# KiCad board aquarius-plus.kicad_pcb (continued)
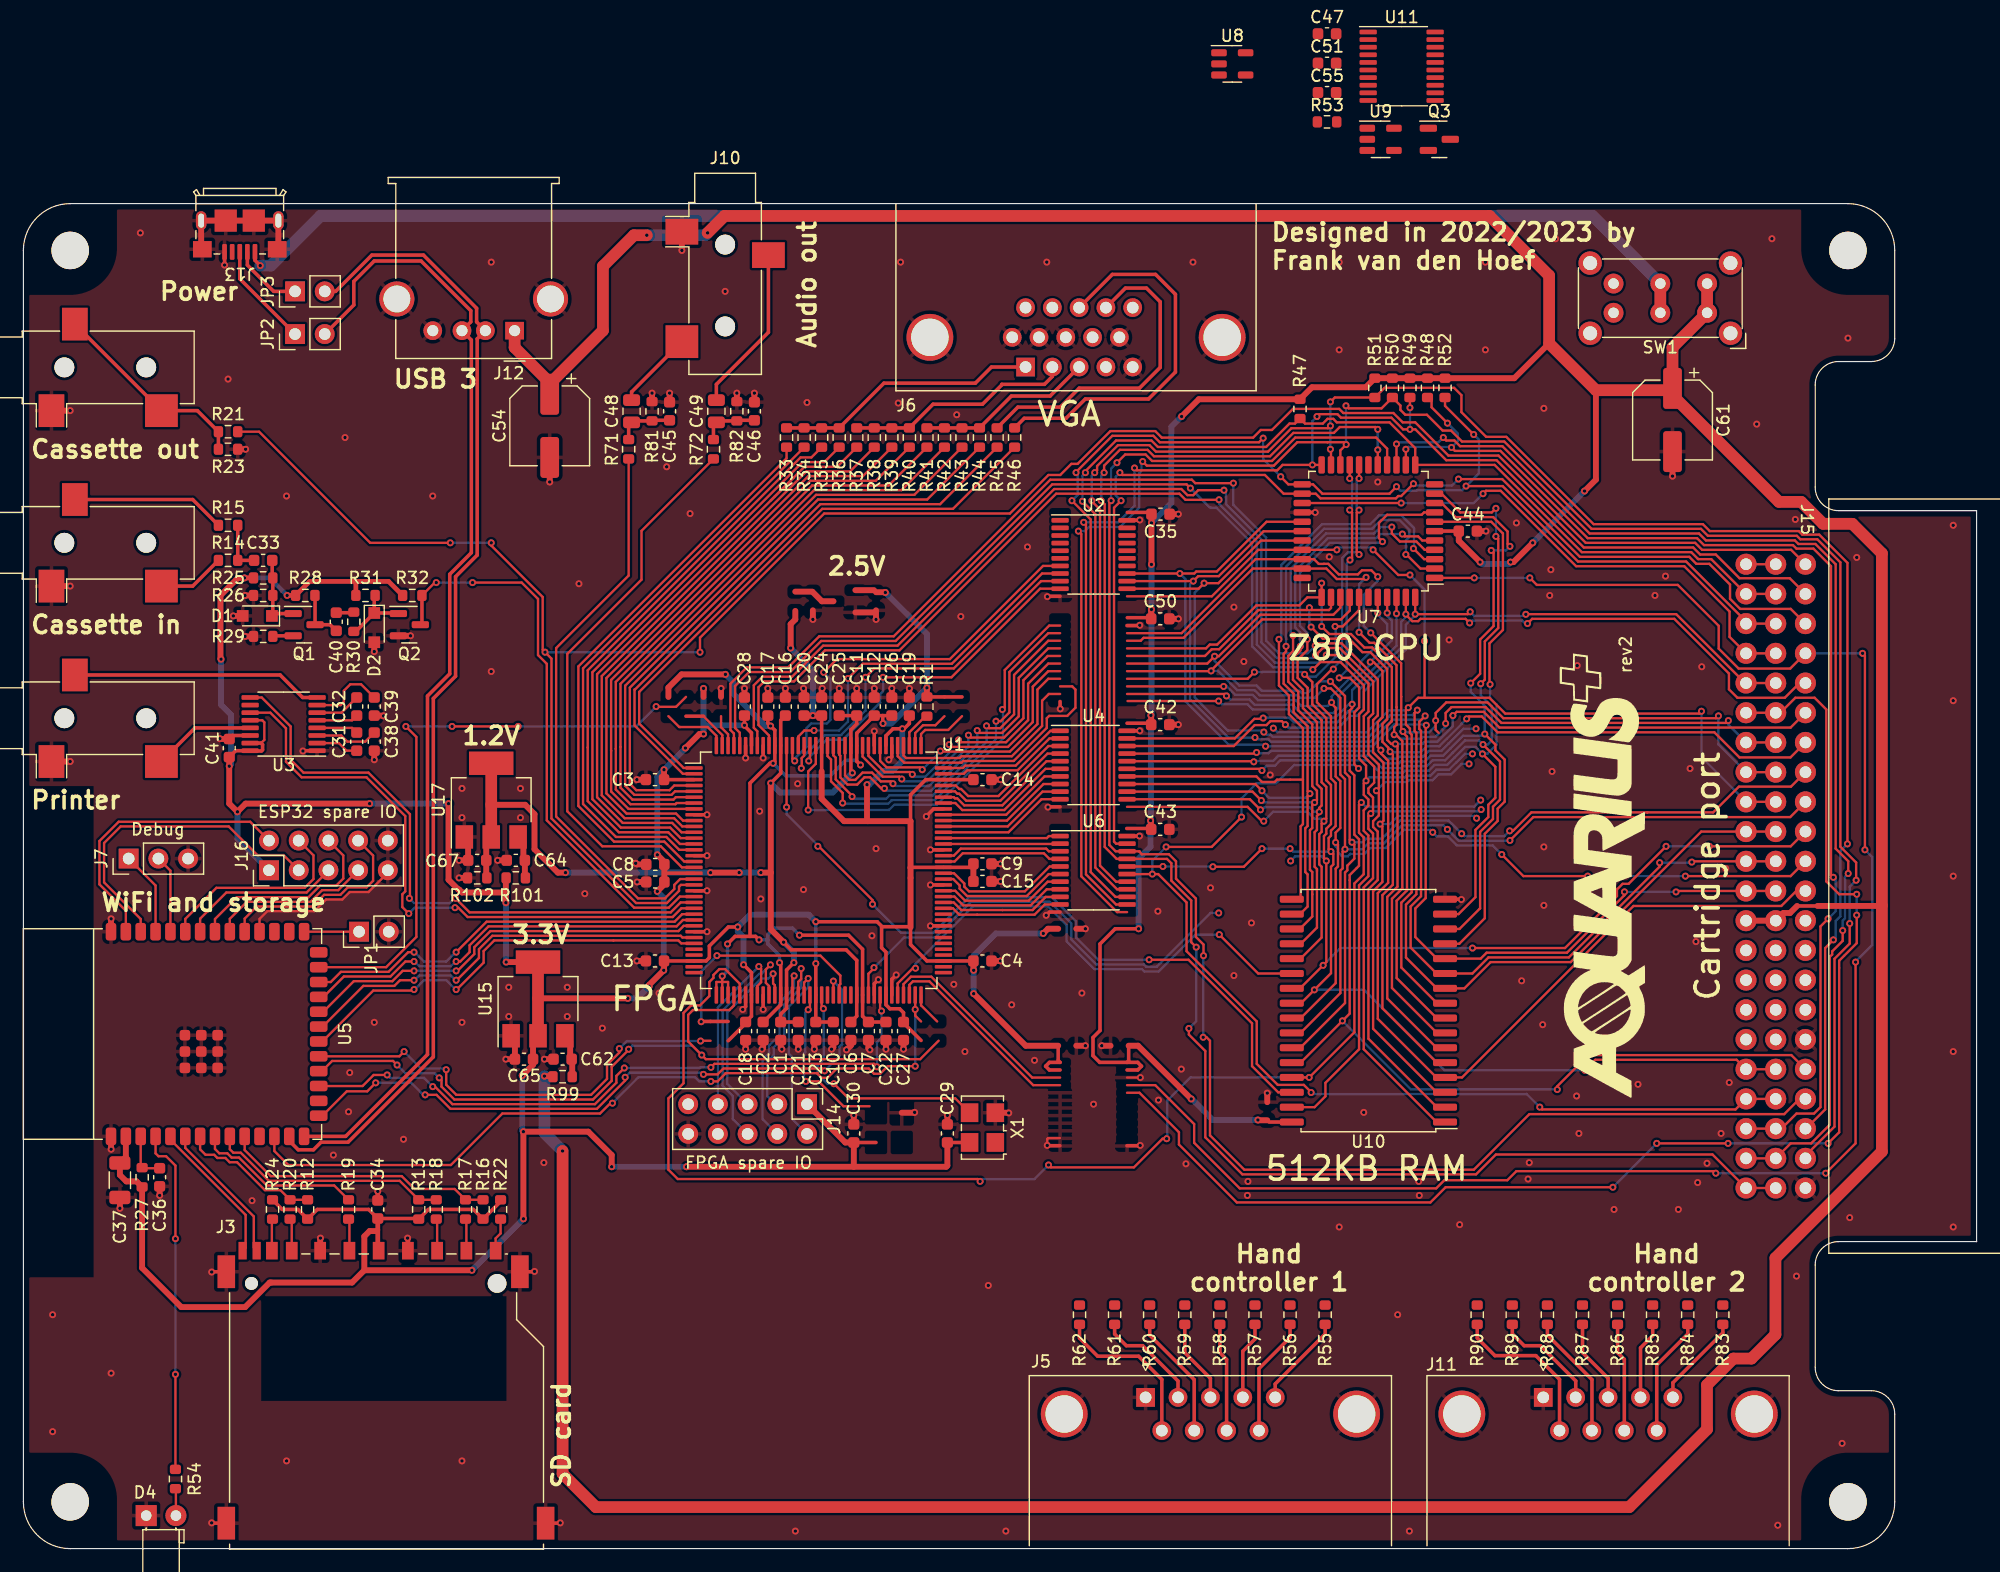
[diagram p0: board, top side]
## Routing (per net, layer and track width the routed paths; a pad name or vN(x,y) marks a point on that pad's centre or on a via; arc(x,y) is an arc through that point) (continued)
  Bottom w0.2: v1(76.25,46.1) v1(76.25,41.25) ; v1(58.78,39.95) 57.78,39.95 57.43,40.3 52.58,40.3 v1(50.36,38.09)
FPGA_EXP0: length 16.2
  Top w0.2: 66.75,47.34 66.75,48.4 v1(67.1,48.75)
  Bottom w0.2: v1(67.1,48.75) 67.1,48 65.45,46.35 65.45,42.3 65.7,42.05 65.7,36.76 J14.2
FPGA_EXP1: length 15.5
  Top w0.2: 66.25,47.34 66.25,48.46 66.5,48.71 v1(66.5,49.6)
  Bottom w0.2: v1(66.5,49.6) 66.5,47.97 65.05,46.52 65.05,43.75 64.15,42.85 64.15,42.19 63.6,41.64 63.6,38.7 64.3,38
FPGA_EXP2: length 16.9
  Top w0.2: 65.75,47.34 65.75,48.82 v1(65.9,48.97)
  Bottom w0.2: v1(65.9,48.97) 65.9,47.93 64.65,46.68 64.65,43.92 63.75,43.02 63.75,42.35 63.2,41.8 63.2,36.72 J14.4
FPGA_EXP3: length 15.7
  Top w0.2: v1(64.1,49.15) 64.1,48.32 64.25,48.17 64.25,47.34
  Bottom w0.2: J14.5 60.18,39.74 60.18,45.85 63.08,48.75 63.7,48.75 v1(64.1,49.15)
FPGA_EXP4: length 20
  Top w0.2: 63.75,47.34 63.75,48.1 63.48,48.37 63.48,49.53 v1(63.87,49.92)
  Bottom w0.2: J14.6 60.65,36.73 60.65,38.7 59.78,39.58 59.78,46.01 62.91,49.15 63.1,49.15 v1(63.87,49.92)
FPGA_EXP5: length 15.9
  Top w0.2: v1(62.88,49.77) 63.07,49.57 63.07,48.43 62.75,48.1 62.75,47.34
  Bottom w0.2: J14.7 59.38,46.27 v1(62.88,49.77)
FPGA_INT#: length 11
  Top w0.2: 88.64,57.03 87.58,57.03 85.96,55.4 80.52,55.4 79.67,56.25 78.66,56.25
FPGA_IORQ#: length 10.3
  Top w0.2: U6.3 87.68,59.62 87.45,59.85 80.15,59.85 79.55,59.25 78.66,59.25
FPGA_MREQ#: length 10
  Top w0.2: 88.61,60.25 78.66,60.25
FPGA_PROG#: length 52.8
  Top w0.2: 56.65,72.83 55.8,71.97 54.12,71.97 v1(54.1,72) ; U5.25 31.02,49.72 33.6,52.3 33.6,69.4 v1(32.7,70.3) ; v1(36.65,70.3) v1(42.3,70.3)
  Bottom w0.2: v1(42.3,70.3) 52.4,70.3 v1(54.1,72) ; v1(32.7,70.3) v1(36.65,70.3)
FPGA_RD#: length 10.5
  Top w0.2: 78.66,58.75 79.62,58.75 80.32,59.45 87.25,59.45 87.72,58.97 U6.4
FPGA_RESET#: length 12
  Top w0.2: 78.66,55.75 79.6,55.75 80.35,55 86.12,55 87.49,56.38 88.64,56.38
  Top w0.3: U1.94 v1(77.55,59.75)
FPGA_WR#: length 11.7
  Top w0.2: 78.66,57.75 79.57,57.75 80.45,56.87 80.45,56.6 80.85,56.2 85.62,56.2 87.75,58.33 U6.5
HALT#: length 101.4
  Top w0.2: v1(121.4,95) 121.65,94.75 122.35,94.75 122.84,94.26 126.45,94.26 133.91,86.8 143.26,86.8 143.86,86.2 151.46,86.2 151.77,85.9 153.22,85.9 154.95,84.17 154.95,59.85 156.02,58.78 v1(156.02,57.72) ; J15.41 149.82,33.37 151.1,34.65 152.85,34.65 154.45,36.25 154.45,50.6 154.65,50.8 154.65,51.07 155.55,51.97 v1(155.55,52.85) ; U7.14 v1(117.4,94.45)
  Bottom w0.2: v1(155.55,52.85) 155.55,53.7 155.75,53.9 155.75,57.45 v1(156.02,57.72) ; v1(121.4,95) 121,94.6 117.55,94.6 v1(117.4,94.45)
INT#: length 106.7
  Top w0.2: v1(90.8,92) 90.8,92.13 93.42,94.75 96.44,94.75 97,94.2 106.25,94.2 108.25,96.2 108.72,96.2 R47.2 109.58,96.2 111.1,96.2 111.5,96.6 112,96.6 112.3,96.3 116.8,96.3 119,94.1 U7.12 125.79,92.66 133.25,85.2 142.6,85.2 143.2,84.6 144.31,84.6 J15.3 149.82,81.63 ; v1(90.55,89.55) 91.65,88.45 91.65,58.23 93.51,56.38 94.36,56.38
  Bottom w0.2: v1(90.55,89.55) 90.55,91.75 v1(90.8,92)
IORQ#: length 144.6
  Top w0.2: v1(99.65,44.48) 99.65,43.95 101.05,42.55 101.05,35.17 104.22,32 124.2,32 125.9,33.7 144.42,33.7 J15.43 149.82,30.83 ; v1(100.27,51.43) 99.85,51.85 99.85,55.42 98.15,57.12 98.15,58.6 97.78,58.97 U6.17 93.47,58.97 92.45,60 92.45,89.3 v1(92.15,89.6) ; v1(115.8,95.7) 115.6,95.9 112.55,95.9 112.05,95.4 108.58,95.4 106.58,93.4 96.67,93.4 96.11,93.95 93.75,93.95 92.4,92.6 v1(92.4,92) ; v1(115.8,93.95) U7.16
  Bottom w0.2: v1(92.4,92) 92.15,91.75 v1(92.15,89.6) ; v1(99.65,44.48) 100.27,45.1 v1(100.27,51.43) ; v1(115.8,95.7) v1(115.8,93.95)
M1#: length 99.5
  Top w0.2: v1(118.85,91.05) 117.8,90 117.55,90 117.35,89.8 110.9,89.8 110.5,90.2 U7.24 107.75,90.2 106.15,91.8 93.95,91.8 v1(93.75,92) ; J15.6 151.1,80.35 146.78,80.35 145.92,81.21 145.92,82.43 144.15,84.2 143.03,84.2 142.44,84.8 133.09,84.8 126.43,91.45 v1(122.7,91.45) ; 94.36,60.28 93.43,60.28 93.25,60.45 93.25,89 v1(93.85,89.6)
  Bottom w0.2: v1(93.85,89.6) 93.4,90.05 93.4,91.65 v1(93.75,92) ; v1(122.7,91.45) 122.15,90.9 119,90.9 v1(118.85,91.05)
MREQ#: length 144.4
  Top w0.2: 151.85,38.45 150.55,37.15 128.76,37.15 124.01,32.4 104.39,32.4 101.45,35.34 101.45,43.43 101.16,43.72 v1(100.87,43.72) ; v1(93,89.6) 92.85,89.45 92.85,60.16 93.39,59.62 U6.18 95.43,59.62 95.43,59.58 95.63,59.37 97.94,59.37 98.55,58.77 98.55,57.28 100.25,55.58 100.25,52.3 100.9,51.65 v1(100.9,50.7) ; U7.15 116.6,94.05 115.65,95 108.75,95 106.75,93 96.5,93 95.95,93.55 94.2,93.55 v1(93.5,92.85)
  Bottom w0.2: v1(100.9,50.7) 100.87,50.67 v1(100.87,43.72) ; v1(93.5,92.85) 93,92.35 v1(93,89.6)
NMI#: length 101.1
  Top w0.2: U7.13 v1(118.2,94) ; 149.82,35.91 J15.39 ; v1(154.75,57.4) 154.55,57.6 154.55,84 153.05,85.5 151.6,85.5 151.3,85.8 143.69,85.8 143.1,86.4 133.75,86.4 126.28,93.86 122.39,93.86 v1(122.1,94.15) ; v1(154.3,53.85) 153.65,53.2 153.65,37.75 153.1,37.2 151.6,37.2 150.31,35.91 ; v1(121.76,96.23) 120.4,97.59 120.4,98.15 120.12,98.42
  Bottom w0.2: v1(154.75,57.4) 154.95,57.2 154.95,54.5 v1(154.3,53.85) ; v1(121.76,96.23) 122.65,95.34 122.65,94.7 v1(122.1,94.15) 122.05,94.2 118.4,94.2 v1(118.2,94)
PHI: length 152.9
  Top w0.2: v1(157.45,59.75) 157.45,76.35 v1(157.25,76.55) ; v1(128.8,83) 129.4,82.4 141.45,82.4 144.95,78.9 144.95,76.95 146.65,75.25 151.06,75.25 J15.8 ; v1(144.7,32.1) 144.53,32.28 127.65,32.28 126.88,31.5 121.49,31.5 120.79,30.8 104,30.8 100.1,34.7 100.1,36.3 96.78,39.62 94.36,39.62 ; v1(156.65,50.15) 156.65,34.65 v1(154.1,32.1) ; U7.1 v1(124.05,83)
  Bottom w0.2: v1(154.1,32.1) v1(144.7,32.1) ; v1(124.05,83) v1(128.8,83) ; J15.8 v1(157.25,76.55) ; v1(156.65,50.15) 156.65,50.2 158.07,51.62 158.07,59.12 v1(157.45,59.75)
PRINTER_IN: length 52.2
  Top w0.2: v1(36.95,55.6) 38.15,54.4 55.35,54.4 56.2,55.25 57.34,55.25 ; U3.9 20.38,72.78 22.85,70.3 22.85,67.45 23.95,66.35 29.5,66.35 33.05,62.8 33.05,55.65 v1(33,55.6)
  Bottom w0.2: v1(36.95,55.6) 36.85,55.6 36.45,55.2 33.4,55.2 v1(33,55.6)
PRINTER_OUT: length 52.5
  Top w0.2: v1(32.95,54.3) 32.4,54.85 32.4,55.95 32.65,56.2 32.65,62.63 29.33,65.95 23.78,65.95 22.45,67.28 22.45,70.13 21.11,71.47 U3.11 ; v1(36.9,54.8) 37.18,54.8 37.98,54 55.51,54 56.26,54.75 57.34,54.75
  Bottom w0.2: v1(36.9,54.8) 33.45,54.8 v1(32.95,54.3)
RAM_CE#: length 43.4
  Top w0.2: v1(102.25,52.5) 105.57,49.17 U10.22 ; 74.75,47.34 74.75,48.33 76.04,49.62 v1(76.28,49.62)
  Bottom w0.2: v1(102.25,52.5) 100.22,52.5 97.07,49.35 95.84,49.35 95.64,49.55 91.57,49.55 89.19,51.93 89.19,53.31 87.6,54.9 81.18,54.9 76.28,49.99 v1(76.28,49.62)
RD#: length 112.2
  Top w0.2: v1(112,75.2) 111.89,75.2 110.6,73.91 110.6,72.37 111.8,71.17 111.8,65.86 112.2,65.46 112.2,61.79 111.8,61.39 111.8,60.96 111.6,60.76 111.6,59.8 v1(111.8,59.6) 112,59.4 112,58.5 111.8,58.3 111.8,49.2 v1(110.38,47.78) 109.24,46.64 ; v1(133.5,40.9) 134.4,41.8 146.47,41.8 J15.35 149.82,40.99 ; U6.16 v1(97.43,58.33) ; U7.18 v1(114.2,91.5) ; v1(114.2,88.8) 114,88.6 114,85.2 v1(114.2,85) ; 108.31,59.86 v1(108.3,59.85) ; v1(101.7,58.3) 104.35,58.3 v1(105.9,59.85)
  Bottom w0.2: v1(101.7,58.3) 101.68,58.33 v1(97.43,58.33) ; v1(133.5,40.9) 121.5,40.9 114.62,47.78 v1(110.38,47.78) ; v1(105.9,59.85) v1(108.3,59.85) 108.55,59.6 v1(111.8,59.6) ; v1(114.2,91.5) 114,91.3 114,89 v1(114.2,88.8) ; v1(112,75.2) 112,75.28 112.75,76.03 112.75,84.7 113.25,85.2 114,85.2 v1(114.2,85)
RESET#: length 118.2
  Top w0.2: v1(89.65,89.6) 91.25,88 91.25,57.85 93.38,55.72 94.36,55.72 ; v1(117.4,90.8) 116.8,90.2 111.07,90.2 110.27,91 U7.23 108.15,91 v1(107.5,91.65) ; 149.82,79.09 J15.5 ; 147.28,79.28 142.17,84.4 132.92,84.4 126.47,90.85 v1(123.35,90.85) ; v1(106,94.95) 105.65,94.6 97.16,94.6 96.61,95.15 93.1,95.15 90,92.05 v1(90,92) ; v1(124,95.26) 121.55,97.71 R52.2
  Bottom w0.2: v1(89.65,89.6) 90.15,90.1 90.15,91.85 v1(90,92) ; v1(117.4,90.8) 117.75,90.45 119.1,90.45 119.15,90.5 123,90.5 v1(123.35,90.85) 124.45,91.95 124.45,94.81 v1(124,95.26) ; v1(107.5,91.65) 106,93.15 v1(106,94.95)
RFSH#: length 47.9
  Top w0.2: 149.82,76.55 J15.7 145.88,77.96 145.88,80.12 142,84 132.75,84 126.3,90.45 125.05,90.45 v1(124.8,90.2) ; v1(117.8,89.4) U7.25
  Bottom w0.2: v1(124.8,90.2) 124,89.4 v1(117.8,89.4)
SD_ACTIVITY: length 29.6
  Top w0.2: U5.4 11.3,33.8 11.55,33.55 12.2,33.55 13,32.75 v1(13,26.5) ; v1(13,14.9) 13,6.78
  Bottom w0.2: v1(13,26.5) v1(13,14.9)
SD_MISO: length 12.1
  Top w0.2: R12.1 R20.1 21.97,30.65 20.65,30.65 18.27,33.04 17.63,33.04 17.27,33.4 16.58,33.4 16.31,33.67 15.58,33.67 15.11,34.14 U5.7
SD_MOSI: length 20.5
  Top w0.2: U5.9 17.65,34.15 17.95,33.85 18.58,33.85 20.99,31.45 32.18,31.45 R13.1 R18.1
SD_SCK: length 14.3
  Top w0.2: U5.8 16.38,34.17 16.75,33.8 17.43,33.8 17.8,33.43 18.43,33.43 20.82,31.05 26.58,31.05 R19.1
SD_SSEL#: length 23.3
  Top w0.2: U5.10 18.92,34.08 21.15,31.85 32.35,31.85 33.45,30.75 36.88,30.75 R17.1 R16.1
SD_WP#: length 12.3
  Top w0.2: J3.11 19,25.73 19,28.53 12.57,34.96
SPI_CS#: length 38.8
  Top w0.2: v1(36.15,40.95) 36.15,39.67 37.02,38.8 48.53,38.8 49.9,40.17 49.9,41.37 50.95,42.42 v1(50.95,42.75) ; v1(57.9,43.4) 57.92,43.42 58.75,43.42 ; v1(32.55,42.5) 32.14,42.09 U5.19
  Bottom w0.2: v1(32.55,42.5) 34,41.05 36.05,41.05 v1(36.15,40.95) ; v1(57.9,43.4) 51.6,43.4 v1(50.95,42.75)
SPI_MISO: length 56.6
  Top w0.2: v1(51.45,40.3) 51.45,40.02 49.03,37.6 36.52,37.6 35.32,38.8 v1(34.35,38.8) ; v1(30.12,39.83) 29.4,39.1 27.65,39.1 25.56,37.02 ; v1(58.15,40.55) 59.35,40.55 59.85,41.05 68.3,41.05 v1(68.5,40.85) ; 69.25,47.34 v1(69.25,48.53)
  Bottom w0.2: v1(68.5,40.85) 69.78,42.13 69.78,42.9 70,43.12 70,47.78 v1(69.25,48.53) ; v1(58.15,40.55) 58,40.7 51.85,40.7 v1(51.45,40.3) ; v1(30.12,39.83) 33.16,39.83 34.18,38.8 v1(34.35,38.8)
SPI_MOSI: length 57.4
  Top w0.2: v1(72.97,41.2) 72.72,41.45 59.08,41.45 v1(58.78,41.15) ; U1.65 73.25,46.08 v1(73.37,45.97) ; v1(35,39.5) 35.18,39.5 36.68,38 48.87,38 50.7,39.83 50.7,40.42 v1(51.38,41.1) ; v1(31.1,40.5) 29.95,40.5 29,39.56 U5.17
  Bottom w0.2: v1(51.38,41.1) 51.38,41.1 57.85,41.1 57.9,41.15 v1(58.78,41.15) ; v1(72.97,41.2) 72.97,43.29 73.37,43.68 v1(73.37,45.97) ; v1(35,39.5) 34.25,40.25 31.35,40.25 v1(31.1,40.5)
SPI_SCLK: length 67.6
  Top w0.2: 60.75,47.34 60.75,46.45 60.35,46.05 57.25,46.05 56.84,45.64 56.84,43.36 v1(58,42.2) 58.35,41.85 76.68,41.85 78.25,43.42 ; v1(35.55,40.25) 35.75,40.05 35.75,39.5 36.85,38.4 48.7,38.4 50.3,40 50.3,41.2 51.75,42.65 v1(51.75,42.7) ; 25.53,40.83 26.4,41.7 31.6,41.7 v1(31.95,41.35)
  Bottom w0.2: v1(35.55,40.25) 35.15,40.65 32.65,40.65 v1(31.95,41.35) ; v1(58,42.2) 57.2,43 52.05,43 v1(51.75,42.7)
SYSCLK: length 21.4
  Top w0.2: X1.3 79.67,38.5 70.55,38.5 v1(69.3,39.75) ; 68.25,47.34 68.25,46.32 v1(68.4,46.17)
  Bottom w0.2: v1(69.3,39.75) 68.75,39.75 67.9,40.6 67.9,41.3 68.43,41.83 68.43,46.15 v1(68.4,46.17)
VGA_B0: length 52.5
  Top w0.2: R44.1 77.28,89.7 67.94,89.7 51.85,73.62 51.85,65.4 52.4,64.85 55.25,64.85 55.65,65.25 57.34,65.25
VGA_B1: length 52.1
  Top w0.2: 57.34,64.75 55.72,64.75 55.41,64.45 52.24,64.45 51.45,65.23 51.45,73.78 67.77,90.1 76.18,90.1 R43.1
VGA_B2: length 51.7
  Top w0.2: 57.34,64.25 55.78,64.25 55.58,64.05 52.07,64.05 51.05,65.07 51.05,68.55 51.05,73.95 67.61,90.5 75.08,90.5 R42.1
VGA_B3: length 51.4
  Top w0.2: R41.1 73.98,90.9 67.44,90.9 50.65,74.11 50.65,68.38 50.65,68.38 50.65,64.9 51.91,63.65 55.75,63.65 55.85,63.75 57.34,63.75
VGA_G0: length 52.1
  Top w0.2: R40.1 72.88,91.3 67.28,91.3 50.25,74.28 50.25,68.22 50.25,68.22 50.25,64.74 51.74,63.25 57.34,63.25
  Top w0.3: U1.9 v1(58.45,62.75)
VGA_G1: length 50.9
  Top w0.2: U1.10 56.4,62.25 55.8,62.85 51.57,62.85 49.85,64.57 49.85,74.44 67.11,91.7 71.78,91.7 R39.1
VGA_G2: length 50.6
  Top w0.2: U1.11 56.33,61.75 55.63,62.45 51.41,62.45 49.45,64.41 49.45,74.61 66.95,92.1 70.68,92.1 R38.1
VGA_G3: length 53
  Top w0.2: 63.91,89.64 65.86,91.59 ; 63.91,89.64 49.05,74.77 49.05,64.24 51.24,62.05 55.47,62.05 56.27,61.25 U1.12 ; 63.91,89.64 65.86,91.59 ; 65.86,91.59 66.78,92.5 69.58,92.5 R37.1
VGA_HSYNC: length 49.7
  Top w0.2: R46.1 79.48,88.91 68.3,88.91 52.65,73.25 52.65,70.55 56.45,66.75 U1.1
VGA_R0: length 50
  Top w0.2: R36.1 68.48,92.9 66.62,92.9 48.65,74.94 48.65,64.08 51.08,61.65 55.3,61.65 56.2,60.75 57.34,60.75
VGA_R1: length 49.7
  Top w0.2: 57.34,60.25 56.13,60.25 55.13,61.25 50.91,61.25 48.25,63.92 48.25,68.5 48.25,75.1 66.45,93.3 67.38,93.3 R35.1
VGA_R2: length 50.6
  Top w0.2: 66.75,94.17 47.85,75.27 47.85,63.67 50.66,60.85 54.97,60.85 56.07,59.75 57.34,59.75
  Top w0.3: U1.16 v1(58.45,59.25)
VGA_R3: length 49.9
  Top w0.2: U1.17 56.5,58.75 54.8,60.45 50.5,60.45 47.45,63.5 47.45,75.43 65.25,93.23 R33.1
VGA_VSYNC: length 49.4
  Top w0.2: U1.2 56.38,66.25 52.25,70.38 52.25,73.45 52.28,73.45 68.14,89.3 78.38,89.3 R45.1
WAIT#: length 166.4
  Top w0.2: v1(91.35,89.6) 91.35,89.55 92.05,88.85 92.05,58.4 93.43,57.03 94.36,57.03 ; v1(91.6,92) 91.8,92.2 91.8,92.56 93.59,94.35 96.28,94.35 96.83,93.8 106.42,93.8 108.42,95.8 111.55,95.8 v1(111.75,96) ; v1(154.75,52.05) 154.05,51.35 154.05,37.55 152.41,35.91 ; U7.21 111.8,93.95 v1(111.75,94) ; v1(111.75,98.05) 112.13,98.42 R51.2 116.38,99.25 122.32,99.25 122.95,98.62 122.95,97.17 125.07,95.06 126.79,95.06 134.25,87.6 143.59,87.6 144.19,87 151.8,87 152.1,86.7 153.55,86.7 155.96,84.29 v1(155.96,60.26)
  Bottom w0.2: v1(111.75,98.05) v1(111.75,96) v1(111.75,94) ; v1(154.75,52.05) 154.95,52.25 154.95,53.66 155.35,54.06 155.35,59.65 v1(155.96,60.26) ; v1(91.6,92) 91.35,91.75 v1(91.35,89.6)
WR#: length 120.2
  Top w0.2: v1(97.7,60) 101.6,60 v1(104.15,62.55) ; U6.15 v1(96.53,57.67) 97.03,57.67 99.45,55.25 99.45,51.08 105.45,45.08 105.45,41.45 107.25,39.65 109.48,39.65 110.1,39.03 v1(110.1,39) ; v1(114.15,66.7) 113.79,67.06 113.79,71.49 114.2,71.9 114.2,73.65 113.4,74.45 v1(112.5,74.45) ; v1(113.4,88.8) 113.6,88.6 113.6,84.7 v1(113.42,84.53) ; U7.19 v1(113.4,91.5) ; v1(129.65,37.75) 129.85,37.55 146.38,37.55 J15.37 149.82,38.45
  Bottom w0.2: v1(114.15,66.7) 113.85,67 108.65,67 107.1,65.45 105.45,65.45 104.15,64.15 v1(104.15,62.55) ; v1(113.4,91.5) 113.6,91.3 113.6,89 v1(113.4,88.8) ; v1(113.42,84.53) 113.15,84.25 113.15,75.1 v1(112.5,74.45) ; v1(129.65,37.75) 128.53,38.87 110.23,38.87 v1(110.1,39) ; v1(97.7,60) 96.53,58.83 v1(96.53,57.67)
Net-(C33-Pad1): length 4.4
  Top w0.3: C33.1 R14.2 R15.2
Net-(C40-Pad2): length 1.5
  Top w0.3: C40.2 28.2,80.03
Net-(C45-Pad1): length 4.3
  Top w0.3: R71.2 51.75,96.05 ; C45.1 53.8,96.47 ; 52.12,96.42 R81.2
Net-(C46-Pad1): length 4.3
  Top w0.3: 61.05,96.47 C46.1 ; 59.38,96.42 R82.2 ; R72.2 59,96.05
Net-(C48-Pad2): length 6.8
  Top w0.3: J10.T 52,98.9 C48.2
Net-(C49-Pad2): length 14.2
  Top w0.3: J10.R 63.7,104 59.25,99.55 C49.2
Net-(D1-K): length 6.2
  Top w0.3: 21.33,79.83 R26.2 R25.1 ; C33.2 21.28,83.05 ; Q1.1 21.45,79.95
Net-(D2-K): length 5.7
  Top w0.3: 28.42,78.42 D2.1 ; D2.1 30,81.42 ; D2.1 32.01,80
Net-(D4-A): length 2.3
  Top w0.2: D4.2 13.04,5.09
Net-(J1-PadR): length 13.2
  Top w0.3: J1.R 14.47,89.7 R15.1
Net-(J1-PadT): length 5.8
  Top w0.3: J1.T 14.47,82.3 R14.1
Net-(J2-PadR): length 17.6
  Top w0.3: J2.R J2.T 14.88,97.3 R21.2 R23.2
Net-(J3-CD/DAT3): length 2.6
  Top w0.2: J3.1 37.88,28.1
Net-(J3-CLK): length 2.6
  Top w0.2: 27.88,28.1 J3.5
Net-(J3-CMD): length 2.6
  Top w0.2: J3.2 35.38,28.1
Net-(J3-DAT0): length 2.6
  Top w0.2: 22.94,28.03 J3.7
Net-(J3-DAT1): length 2.6
  Top w0.2: 21.25,28.12 J3.8
Net-(J3-DAT2): length 2.9
  Top w0.2: R22.1 40.8,26.95 40.38,26.53 J3.9
Net-(J5-Pad2): length 9.3
  Top w0.3: J5.2 98.72,14.33 95.7,17.35 94.3,17.35 93.3,18.35 R61.1
Net-(J5-Pad3): length 7.2
  Top w0.3: J5.3 101.49,14.56 99.3,16.75 R59.1
Net-(J5-Pad4): length 6.7
  Top w0.3: R57.1 105.3,17.92 104.26,16.88 J5.4
Net-(J5-Pad5): length 8
  Top w0.3: J5.5 107.03,14.08 111.3,18.35 R55.1
Net-(J5-Pad6): length 14
  Top w0.3: R62.1 90.3,18 91.85,16.45 95.35,16.45 97.34,14.47 97.34,10.09
Net-(J5-Pad7): length 10.7
  Top w0.3: R60.1 96.3,18.25 100.1,14.44 J5.7
Net-(J5-Pad8): length 9.3
  Top w0.3: R58.1 102.3,16.75 102.88,16.18 J5.8
Net-(J5-Pad9): length 10.2
  Top w0.3: R56.1 108.3,18.05 105.65,15.4 J5.9
Net-(J6-Pad1): length 22.6
  Top w0.3: R33.2 R36.2 73.57,99.65 81.39,99.65 82.77,101.03 J6.1
Net-(J6-Pad2): length 19.4
  Top w0.3: J6.2 87.97,100.22 87.3,99.55 83.65,99.55 83.65,99.5 82,97.85 77.78,97.85 R40.2 R37.2
Net-(J6-Pad3): length 15.2
  Top w0.3: R41.2 R44.2 84.47,98.55 87.78,98.55 J6.3
Net-(J6-Pad13): length 32.5
  Top w0.3: J6.13 93.1,108.95 96.8,108.95 98.5,107.25 98.5,100.6 96.2,98.3 90.8,98.3 89.15,96.65 85.57,96.65 R46.2
Net-(J6-Pad14): length 27.5
  Top w0.3: R45.2 85.03,97.6 88.65,97.6 90.28,99.22 95.43,99.22 97.2,101 97.2,106.6 96.02,107.78 94.22,107.78 J6.14
Net-(J7-Pin_1): length 7.2
  Top w0.2: U5.37 11.3,56.7 J7.1
Net-(J7-Pin_2): length 6.7
  Top w0.2: J7.2 12.57,57.97 U5.36
Net-(J11-Pad2): length 9.3
  Top w0.3: 132.72,12.94 132.72,14.34 129.71,17.35 128.31,17.35 127.31,18.36 127.31,19.18
Net-(J11-Pad3): length 7.2
  Top w0.3: 135.5,12.94 135.5,14.57 133.31,16.76 133.31,19.18
Net-(J11-Pad4): length 6.7
  Top w0.3: 138.26,12.94 138.26,17.16 139.31,18.21 139.31,19.18
Net-(J11-Pad5): length 8
  Top w0.3: 145.31,19.18 145.31,18.46 141.03,14.19 141.03,12.94
Net-(J11-Pad6): length 14
  Top w0.3: 124.31,19.18 124.31,18.01 125.81,16.5 129.31,16.5 131.34,14.47 131.34,10.1
Net-(J11-Pad7): length 10.7
  Top w0.3: 134.11,10.1 134.11,14.45 130.31,18.26 130.31,19.18
Net-(J11-Pad8): length 9.3
  Top w0.3: 136.31,19.18 136.31,16.76 136.88,16.18 136.88,10.1
Net-(J11-Pad9): length 10.2
  Top w0.3: 142.31,19.18 142.31,18.35 139.65,15.7 139.65,10.1
Net-(J13-D+): length 9
  Top w0.3: JP2.1 18.5,108.58 J13.3
Net-(J13-D-): length 6.1
  Top w0.3: JP3.1 21.4,107.5 19.15,109.75 J13.2
Net-(JP1-A): length 4.7
  Top w0.2: JP1.1 U5.27
Net-(Q1-C): length 4.5
  Top w0.3: C40.1 26.22,79 Q1.3 24.94,81.49
Net-(Q1-E): length 1.7
  Top w0.3: Q1.2 21.38,78.05
Net-(U1-B2_IO_CCLK): length 17.6
  Top w0.2: 88.64,39.62 86.34,39.62 77.47,48.5 76.05,48.5 75.75,48.2 U1.70
Net-(U3-C1+): length 3.7
  Top w0.2: C31.1 27.62,68.22 26.97,68.88 U3.2
Net-(U3-C1-): length 3.6
  Top w0.2: C31.2 28.1,70.17 U3.4
Net-(U3-C2+): length 3.6
  Top w0.2: C32.1 28.1,70.83 U3.5
Net-(U3-C2-): length 3.9
  Top w0.2: U3.6 27.2,71.47 C32.2
Net-(U3-DOUT): length 8.8
  Top w0.3: U3.13 14.67,70.17 J4.T
Net-(U3-RIN): length 21.5
  Top w0.3: U3.8 23.88,72.78 21.95,74.7 J4.R
Net-(U3-V+): length 5.4
  Top w0.2: C38.1 29.22,69 27.7,69 27.17,69.53 U3.3
Net-(U3-V-): length 6.6
  Top w0.2: U3.7 27.12,72.12 27.4,72.4 27.4,73.35 27.95,73.9 28.88,73.9 C39.1
Net-(U5-EN): length 4
  Top w0.2: U5.3 10.03,32.69 ; C36.1 10.2,32.53
Net-(U15-VI): length 2.8
  Top w0.5: 46.92,40.4 46.92,41.8 ; 46.75,43.4 46.75,41.97
Net-(U17-VI): length 2.9
  Top w0.5: 42.75,58.97 42.75,60.4 ; C64.1 42.88,57.4
unconnected-(J15-Pin_1-Pad1): length 2.5
  Top w0.2: J15.1 149.82,84.17
unconnected-(U1-B0_IO_HSWAPEN-Pad144): length 5.6
  Top w0.2: U1.144 59.25,69.5 58.5,70.25 56.08,70.25 55.15,71.17
unconnected-(U1-B1_IO-Pad81): length 1.1
  Top w0.3: U1.81 v1(77.55,53.25)
unconnected-(U1-B2_IO-Pad45): length 1.2
  Top w0.3: U1.45 v1(63.25,46.1)
unconnected-(U1-B2_IO-Pad58): length 21.5
  Top w0.2: v1(59.3,50.7) 68.15,50.7 69.85,49 69.85,48.28 69.75,48.18 U1.58
  Top w0.3: v1(57.95,45.05) 57.97,45.08 60.25,45.08
  Bottom w0.2: v1(59.3,50.7) 57.95,49.35 v1(57.95,45.05)
unconnected-(U1-B2_IO-Pad64): length 1.5
  Top w0.3: v1(73.1,48.65) 72.75,48.3 U1.64
unconnected-(U1-B2_IO-Pad67): length 1.9
  Top w0.3: v1(74.62,49.05) 74.25,48.68 U1.67
unconnected-(U1-CMPCS_B-Pad72): length 2.8
  Top w0.2: 78.12,45.08 76.75,46.45 U1.72
unconnected-(U1-TCK-Pad109): length 5.1
  Top w0.2: 80.25,71.17 79.08,70 77.1,70 76.75,69.65 U1.109
unconnected-(U1-TDI-Pad110): length 4.2
  Top w0.2: 78.75,71.17 77.97,70.4 76.92,70.4 76.25,69.73 U1.110

## Copper pours and planes (outline as drawn; the poured copper is in the pictures)
GND on Top, Bottom: 156,8.2 155.8,8.2 155.41,8.16 155.03,8.08 154.65,7.97 154.29,7.82 153.94,7.63 153.62,7.41 153.31,7.17 153.03,6.89 152.79,6.58 152.57,6.26 152.38,5.91 152.23,5.55 152.12,5.17 152.04,4.79 152,4.4 152,4.2 152,0.7 8,0.7 8,4.2 8,4.4 7.96,4.79 7.88,5.17 7.77,5.55 7.62,5.91 7.43,6.26 7.21,6.58 6.97,6.89 6.69,7.17 6.38,7.41 6.06,7.63 5.71,7.82 5.35,7.97 4.97,8.08 4.59,8.16 4.2,8.2 4,8.2 0.5,8.2 0.5,23.2 6,23.2 6,65.2 0.5,65.2 0.5,107.2 4,107.2 4.2,107.2 4.59,107.24 4.97,107.32 5.35,107.43 5.71,107.58 6.06,107.77 6.38,107.99 6.69,108.23 6.97,108.51 7.21,108.82 7.43,109.14 7.62,109.49 7.77,109.85 7.88,110.23 7.96,110.61 8,111 8,111.2 8,114.7 152,114.7 152,111.2 152,111 152.04,110.61 152.12,110.23 152.23,109.85 152.38,109.49 152.57,109.14 152.79,108.82 153.03,108.51 153.31,108.23 153.62,107.99 153.94,107.77 154.29,107.58 154.65,107.43 155.03,107.32 155.41,107.24 155.8,107.2 156,107.2 159.5,107.2 159.5,89.3 166.6,89.3 166.6,25.7 159.5,25.7 159.5,8.2

## Text on the board
F.Silkscreen: Debug | ESP32 spare IO | FPGA spare IO | rev2 | Cassette out | Cassette in | Printer | WiFi and storage | Power | USB 3 | Designed in 2022/2023 by / Frank van den Hoef | 1.2V | 3.3V | 2.5V | Hand / controller 1 | Hand / controller 2 | SD card | Audio out | FPGA | VGA | Z80 CPU | 512KB RAM | Cartridge port
